# KiCad board sun3_60.kicad_pcb (continued)
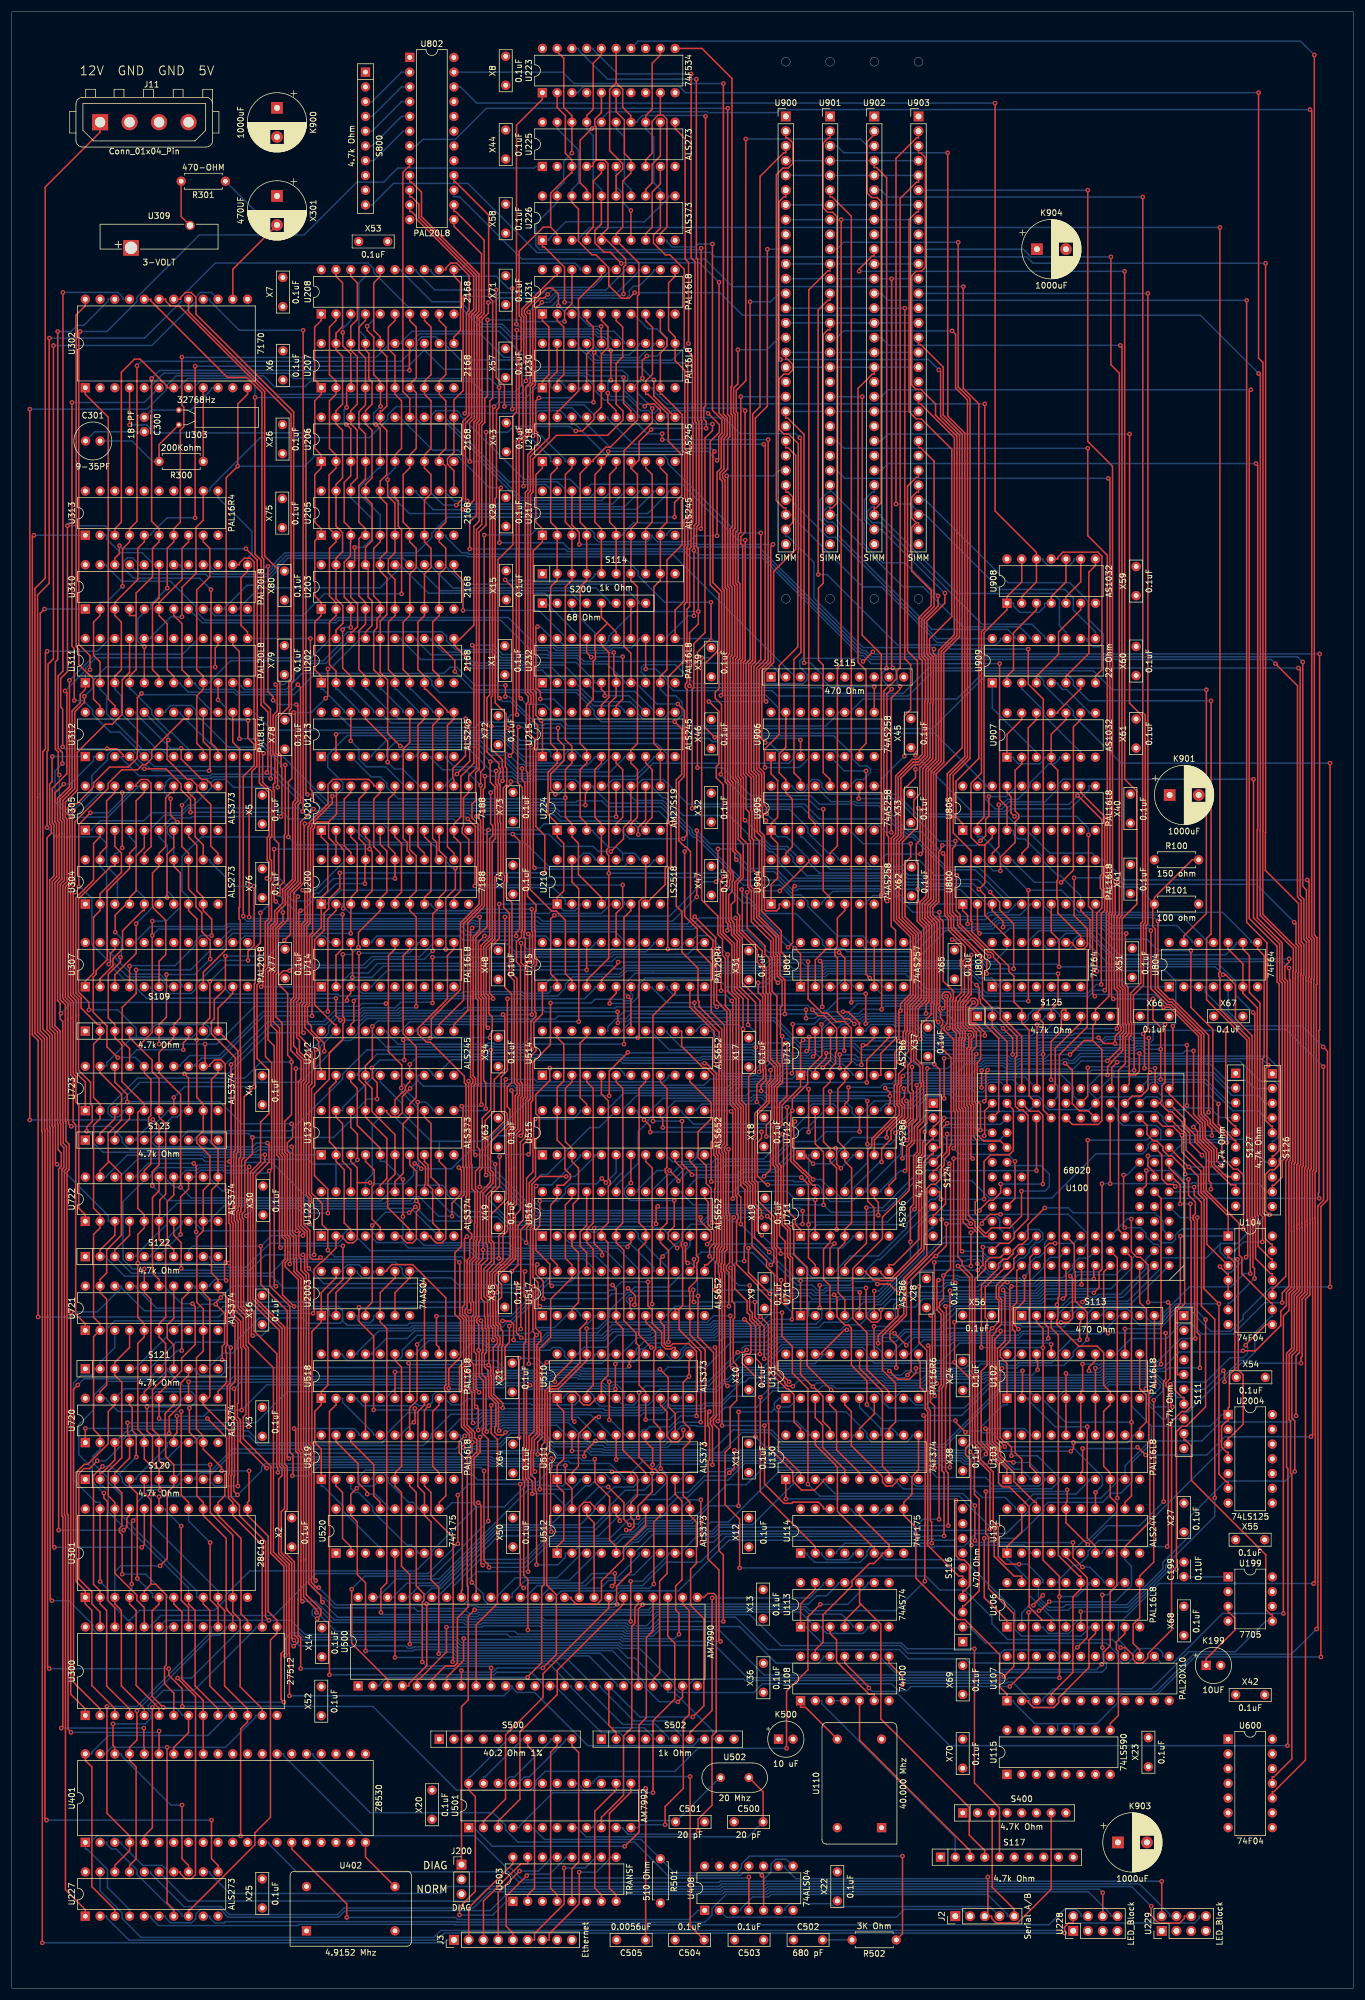
[diagram p0: board, top side]
## Routing (per net, layer and track width the routed paths; a pad name or vN(x,y) marks a point on that pad's centre or on a via; arc(x,y) is an arc through that point) (continued)
  Bottom w0.25: v1(152.88,159.51) 152.64,159.74 145.55,159.74 145.24,160.06 142.36,160.06 142.07,160.34 141.8,160.34 141.11,161.04 v1(140.35,161.04) ; v1(155.71,209.89) 155.7,209.9 v1(155.7,212.34) 165.41,202.63 171.01,202.63 172.23,203.86 173.15,203.86 173.15,203.85 182.1,203.85 v1(183.64,205.39) ; U713.2 137.31,158.35 133.28,158.35 132.01,157.07 128.47,157.07 128.23,157.3 127.94,157.3 127.69,157.05 122.07,157.05 119.84,159.29 v1(119.36,159.29) 105.28,159.29 104.74,159.83 88.21,159.83 88.15,159.89 75.77,159.89 73.1,157.22 ; 73.1,157.22 72.53,157.22 72.53,157.5 71.66,158.37 63.02,158.37 62.23,157.59 62.23,156.89 57.01,151.67 57.01,151.14 U123.19 ; 73.1,157.22 U212.9 ; v1(186.93,175.14) 187.02,175.23 198.77,175.23 200.54,173.46 200.54,166.18 v1(200.04,165.68)
/sun3_60_cpu/DMA-: length 91.4
  Top w0.25: U132.1 171.47,76.07 174,78.61 U132.19 ; U131.15 146.06,106.75 150.02,102.8 150.02,89.89 151.15,88.77 U130.8
  Bottom w0.25: 173.44,82.56 172.88,82.56 172.88,82.82 171.18,84.52 167.2,84.52 165.71,86.01 153.62,86.01 152.27,87.36 152.27,87.64 U130.8 ; 173.44,82.56 U132.19 ; 173.44,82.56 175.98,85.1 183.32,85.1 185.58,87.36 185.58,87.64 U103.7 ; U132.1 171.47,73.81 171.75,73.81 175.28,70.29 175.28,67.74 179.65,63.37 181.62,63.37 U106.5
/sun3_60_cpu/DMAX-: length 21.7
  Top w0.25: U131.5 143.53,100.47 144.65,99.35 144.65,93.48 150.02,88.11 150.02,87.13 150.64,86.51 151.71,86.51 152.56,87.36 152.56,87.64 U130.9
/sun3_60_cpu/DS: length 197.3
  Top w0.25: v1(212.58,110.73) 212.58,110.83 216.05,114.3 U104.8 ; v1(136.26,131.6) v1(136.26,133.86) ; v1(111.03,131.63) 111.03,134.38 v1(111.3,134.66) ; v1(199.99,100.13) 199.71,100.4 199.71,103.91 v1(199.61,104) ; v1(141.17,103.05) 137.04,107.18 137.04,124.13 134.75,126.42 134.75,131.15 v1(134.29,131.6)
  Bottom w0.25: v1(199.61,104) 200.02,104.42 205.72,104.42 209.9,108.59 212.17,108.59 212.92,109.34 212.92,110.39 v1(212.58,110.73) ; v1(136.26,133.86) 135.73,134.38 111.58,134.38 v1(111.3,134.66) ; v1(134.29,131.6) v1(136.26,131.6) ; v1(111.03,131.63) 110.67,131.99 85.98,131.99 80.81,137.16 U122.11 ; v1(199.99,100.13) 196.83,100.13 195.99,100.96 195.99,101.6 197.86,103.47 197.86,103.82 196.8,104.88 188.73,104.88 188.12,104.26 168.44,104.26 164.12,99.94 151.15,99.94 149.88,101.22 149.88,101.97 149.12,102.73 141.49,102.73 v1(141.17,103.05)
/sun3_60_cpu/E.REX-: length 16.1
  Top w0.25: U130.5 143.53,89.33 139.72,93.14 139.72,97 138.44,98.27 138.44,101.6
/sun3_60_cpu/EMULATE-: length 49.8
  Top w0.25: U106.4 179.09,63.37 177.59,63.37 176.24,64.72 176.24,64.72 175.3,65.66 175.3,82.92 171.87,86.35 170.69,86.35 170.01,87.03 170.01,90.21 169,91.22 169,92.77 168.02,93.75 168.02,96.11 v1(167.75,96.39)
  Bottom w0.25: U103.18 175.42,95.26 175.42,95.44 174.47,96.39 v1(167.75,96.39)
/sun3_60_cpu/EN.BOOT-: length 359.3
  Top w0.25: v1(107.32,291.97) 106.37,291.02 105.06,291.02 102.87,293.21 102.87,296.25 100.63,298.49 99.97,298.49 97.65,300.81 97.65,306.37 96.52,307.49 U226.18 ; v1(214.83,278.04) 215.11,277.76 215.11,199.39 215.07,199.36 215.07,184.74 220.8,179.02 220.8,175.25 220.7,175.15 220.7,142.39 220.48,142.17 220.48,130.38 220.5,130.35 220.5,120.75 219.95,120.19 219.94,120.19 219.6,119.85 219.6,117.57 218.63,116.6 218.63,114.13 214.28,109.78 v1(212.11,109.78) ; v1(185.58,106.34) 185.58,106.97 186.71,108.09 U102.14
  Bottom w0.25: v1(212.11,109.78) 211.92,109.59 201.14,109.59 198.24,106.68 187.99,106.68 187.37,106.07 185.85,106.07 v1(185.58,106.34) ; v1(214.83,278.04) 204.79,288.08 125.91,288.08 122.03,291.97 v1(107.32,291.97) ; U225.19 93.98,320.19 97.65,316.53 97.65,310.87 96.52,309.75 U226.18
/sun3_60_cpu/EN.CTL-: length 372.3
  Top w0.25: v1(91.58,118.76) 91.58,121.73 90.31,123 90.31,124.4 v1(90.55,124.64) ; v1(54.47,127.11) 54.47,130.53 53.51,131.49 53.51,135.11 51.67,136.95 51.67,154.91 52.21,155.46 52.21,161.46 v1(52.4,161.64) ; v1(179.09,110.9) U102.17 ; v1(107.3,117.69) 107.45,117.84 107.45,119.27 v1(106.18,120.54) ; v1(91.85,192.07) 91.85,198.51 90.31,200.04 90.31,213.35 90.61,213.65 90.61,217.43 89.84,218.19 89.84,221.05 89.91,221.12 89.91,222.84 89.39,223.36 89.39,257.19 89.82,257.62 89.82,263.35 93.88,267.41 102.67,267.41 105.33,270.06 105.33,271.59 104.14,272.77 U230.6 104.14,279.8 105.27,280.92 105.27,286.05 104.14,287.17 U231.6 ; v1(117.53,118.18) 117.42,118.29 v1(117.42,120.27) ; v1(56.53,192.07) 56.53,189.44 54.61,187.52 54.61,185.91 53.85,185.14 53.85,182.21 52.2,180.56 52.2,169.36 55.6,165.96 55.88,165.96 U212.19 ; v1(128.05,118.18) 128.05,115.57 129.64,113.97 v1(129.64,108.42)
  Bottom w0.25: U212.19 52.69,161.64 v1(52.4,161.64) ; v1(106.18,120.54) 105.26,119.61 103.38,119.61 102.53,118.76 v1(91.58,118.76) ; v1(54.47,127.11) 55.61,125.97 77.51,125.97 78.85,124.64 v1(90.55,124.64) ; v1(117.53,118.18) v1(128.05,118.18) ; v1(117.42,120.27) 117.21,120.07 107.37,120.07 106.67,119.36 106.38,119.36 105.93,118.91 105.93,118.36 106.6,117.69 v1(107.3,117.69) ; v1(129.64,108.42) 130.24,108.42 132.67,110.85 148.48,110.85 148.98,110.35 149.12,110.35 149.88,109.6 149.88,108.85 150.64,108.09 160.3,108.09 163.3,111.1 178.88,111.1 v1(179.09,110.9) ; v1(56.53,192.07) v1(91.85,192.07)
/sun3_60_cpu/EN.FPP: length 414.8
  Top w0.25: v1(223.84,94.99) 224.12,95.27 224.12,131.84 224.1,131.86 224.1,132.5 224.09,132.51 224.09,140.67 224.31,140.89 224.31,173.01 224.31,173.65 224.41,173.75 224.41,180.74 223.96,181.19 223.96,323.2 v1(223.66,323.49) ; v1(193.96,93.17) 194.02,93.17 v1(195.35,91.84) ; v1(184.5,92.95) 184.5,89.1 184.16,88.77 U103.6 ; U226.17 99.06,309.75 97.93,310.87 97.93,318.2 v1(99.97,320.24)
  Bottom w0.25: v1(99.97,320.24) 100.47,320.74 100.47,321.32 101.04,321.32 ; v1(195.35,91.84) 205.87,91.84 209.02,94.99 v1(223.84,94.99) ; 101.04,321.32 102.83,323.12 119.84,323.12 119.98,322.97 131.86,322.97 132.38,323.49 v1(223.66,323.49) ; 101.04,321.32 U225.16 ; v1(184.5,92.95) 193.75,92.95 v1(193.96,93.17)
/sun3_60_cpu/FC0: length 66
  Top w0.25: v1(204.69,106.84) 204.69,112.45 204.24,112.9 v1(204.24,132.72) ; v1(181.62,105.89) U102.5 U103.16
  Bottom w0.25: v1(181.62,105.89) 181.9,105.61 187.55,105.61 188.17,106.23 198.74,106.23 199.35,106.84 v1(204.69,106.84) ; v1(204.24,132.72) 201.31,132.72 U100.53
/sun3_60_cpu/FC1: length 74.1
  Top w0.25: v1(203.92,111.89) 203.79,112.02 203.79,132.14 203.51,132.42 203.51,133.02 203.92,133.43 203.92,135.38 202.74,136.56 v1(202.74,139.31) ; U103.15 U102.6 184.16,102.73 184.5,103.06 v1(184.5,107.52) ; U100.68 195.48,138.32 v1(195.48,140.82)
  Bottom w0.25: v1(203.92,111.89) 201.39,111.89 197.09,107.59 187.61,107.59 187.33,107.3 187.22,107.3 187.01,107.52 v1(184.5,107.52) ; v1(202.74,139.31) 201.74,139.31 200.23,140.82 v1(195.48,140.82)
/sun3_60_cpu/OE.BOOT-: length 263.4
  Top w0.25: v1(35.56,221.85) U311.10 ; v1(40.72,218.31) 40.72,215.27 41.78,214.21 41.78,210.56 39.91,208.69 v1(39.91,184.63) ; v1(117.67,184.53) 121.28,180.92 121.28,180.82 121.28,180.82 121.28,179.17 121,178.9 121,177.39 121.45,176.94 121.45,170.07 122.21,169.3 122.21,169.18 123.22,168.17 123.22,145.24 123.21,145.23 123.19,145.23 122.77,144.8 122.77,144.2 123.05,143.92 123.05,133.26 123.24,133.08 123.24,127.2 122.83,126.79 122.83,124.7 122.66,124.54 122.66,123.56 122.83,123.4 122.83,104.23 v1(123.33,103.73) ; v1(155.78,106.78) 155.78,106.01 154.66,104.89 152.62,104.89 v1(151.21,106.3)
  Bottom w0.25: v1(123.33,103.73) 124.41,103.73 126.25,105.57 130.53,105.57 131.65,106.69 150.82,106.69 v1(151.21,106.3) ; U102.19 173.38,109.22 172.9,108.74 172.85,108.74 172.09,107.98 165.44,107.98 164.24,106.78 v1(155.78,106.78) ; v1(35.56,221.85) 36.97,220.44 36.97,219.21 37.87,218.31 v1(40.72,218.31) ; v1(117.67,184.53) 116.43,183.29 91.01,183.29 90.56,183.74 80.01,183.74 79.9,183.85 78.92,183.85 78.81,183.74 40.57,183.74 39.91,184.4 v1(39.91,184.63)
/sun3_60_cpu/R.CLK-: length 19.1
  Top w0.25: U115.9 189.25,45.59 190.66,47 190.66,58.01 190.3,58.36 190.3,59.63 191.78,61.11 U106.9
/sun3_60_cpu/R.REQ-: length 63.5
  Top w0.25: v1(165.93,77.13) v1(165.93,83.13) ; v1(184.47,72.54) 182.84,74.17 v1(182.84,76.77)
  Bottom w0.25: v1(165.93,77.13) 166.3,76.77 v1(182.84,76.77) ; U106.13 188.12,69.86 188.12,70.14 185.72,72.54 v1(184.47,72.54) ; v1(165.93,83.13) 163.85,85.21 141.82,85.21 139.57,87.46 139.57,87.64 138.44,87.64
/sun3_60_cpu/R.REX-: length 18.9
  Top w0.25: v1(132.12,100.11) 132.12,92.56 135.91,88.77 U130.2
  Bottom w0.25: U131.2 134.78,101.6 134.78,100.9 133.99,100.11 v1(132.12,100.11)
/sun3_60_cpu/S.REX-: length 16.1
  Top w0.25: U131.4 140.99,100.47 142.11,99.35 142.11,92.72 146.06,88.77 U130.6
/sun3_60_cpu/XACK5-: length 13.6
  Bottom w0.25: U130.12 152.56,95.26 152.56,95.54 151.71,96.39 149.73,96.39 ; 149.73,96.39 146.06,100.05 U131.6 ; 149.73,96.39 149.73,95.26 148.6,95.26
/sun3_60_eeprom/EN.INT: length 30
  Top w0.25: U305.3 17.78,196.63 18.92,195.49 18.92,192.14 15.24,188.47 U304.2 15.24,185.57 14.11,184.45 14.11,174.81 12.7,173.39 U307.1
/sun3_60_eeprom/EN.IO-: length 34
  Top w0.25: U310.19 25.4,239.38 24.27,238.25 24.27,227.05 25.4,225.93 U311.6
  Bottom w0.25: U313.2 16.37,250.2 16.37,249.57 18.73,247.21 22.47,247.21 24.27,245.4 24.27,245.12 U310.19
/sun3_60_eeprom/EN.IOL-: length 51.6
  Top w0.25: v1(34.35,240.84) 34.35,214.44 35.56,213.23 U312.10
  Bottom w0.25: v1(34.35,240.84) 32.37,242.82 21.02,242.82 19.16,244.68 19.16,245.57 19.89,246.31 20.82,246.31 21.73,245.4 21.73,245.12 U310.20
/sun3_60_eeprom/EN.IRQ1: length 31.3
  Top w0.25: U304.5 22.86,185.57 22.58,185.57 19.11,182.11 19.11,178.95 17.47,177.3 17.47,176.08 15.24,173.85 U307.2
  Bottom w0.25: U305.4 20.32,198.27 21.45,197.15 21.45,189.24 22.86,187.83 U304.5
/sun3_60_eeprom/EN.IRQ2: length 32.5
  Top w0.25: U305.7 27.94,196.41 26.76,195.23 v1(26.76,187.83) ; v1(21.45,183.31) 21.45,178.2 17.78,174.53 U307.3
  Bottom w0.25: 25.4,187.26 21.45,183.31 v1(21.45,183.31) ; 25.4,187.26 U304.6 ; 25.4,187.26 25.4,187.83 v1(26.76,187.83)
/sun3_60_eeprom/EN.IRQ3: length 40.1
  Top w0.25: v1(34.47,181.27) 34.47,184.13 33.02,185.57 U304.9 33.02,187.83 31.89,188.95 31.89,196.86 30.48,198.27 U305.8 ; U307.4 v1(20.32,176.02)
  Bottom w0.25: v1(34.47,181.27) 32.62,181.27 31.61,180.26 31.61,179.55 28.17,176.11 20.4,176.11 v1(20.32,176.02)
/sun3_60_eeprom/EN.IRQ4: length 59.1
  Top w0.25: v1(40.72,176.99) 40.72,178.53 41.78,179.59 v1(41.78,189.75) ; U305.13 30.48,205.89 31.61,204.77 31.61,198.28 33.02,196.86 U304.12
  Bottom w0.25: U304.12 34.15,194.32 34.15,194.04 38.43,189.75 v1(41.78,189.75) ; v1(40.72,176.99) 35.9,176.99 31.75,172.85 31.75,172.09 30.96,171.3 24.86,171.3 23.99,172.17 23.99,172.46 U307.5
/sun3_60_eeprom/EN.IRQ5: length 37.8
  Top w0.25: U305.14 27.94,205.89 27.42,205.89 26.53,205 26.53,196.57 25.4,195.45 U304.15 25.4,193.19 24.27,192.07 24.27,186.16 26.55,183.88 26.55,177.99 25.4,176.84 U307.6
/sun3_60_eeprom/EN.IRQ6: length 69.3
  Top w0.25: U305.17 21.45,207.02 21.45,207.3 22.29,208.15 23.36,208.15 24.02,207.49 24.02,196.61 22.86,195.45 U304.16 ; v1(13.56,202.41) 11.57,200.43 v1(11.57,189.64)
  Bottom w0.25: v1(11.57,189.64) 11.85,189.64 13.83,187.66 13.83,179.76 16.48,177.11 17.04,177.11 20,174.15 25.34,174.15 26.81,172.68 26.81,172.46 U307.7 ; U305.17 20.32,206.05 16.68,202.41 v1(13.56,202.41)
/sun3_60_eeprom/EN.IRQ7: length 46.6
  Top w0.25: U304.19 15.24,195.45 16.37,196.57 16.37,204.48 17.78,205.89 U305.18
  Bottom w0.25: U307.8 29.35,172.46 29.35,172.74 28.51,173.58 26.62,173.58 25.57,174.64 20.64,174.64 16.37,178.91 16.37,192.07 15.24,193.19 U304.19
/sun3_60_eeprom/OE.EPROM-: length 201.6
  Top w0.25: v1(6.93,66.76) 6.64,67.05 6.64,147.46 6.64,147.46 6.64,148.1 6.56,148.19 6.56,163.98 5.38,165.16 5.38,212.92 5.83,213.38 5.83,229.95 v1(6.11,230.23)
  Bottom w0.25: U311.22 16.65,232.42 16.65,232.14 14.75,230.23 v1(6.11,230.23) ; U300.22 26.81,62.24 26.81,61.96 25.94,61.09 14.73,61.09 13.97,61.85 13.97,62.63 9.85,66.76 v1(6.93,66.76)
/sun3_60_eeprom/RD.EEPROM-: length 164.8
  Top w0.25: U301.20 22.86,76.38 v1(22.42,75.95) ; v1(7.02,212.1) 6.96,212.04 6.96,207.77 6.56,207.37 6.56,200.46 6.83,200.18 6.83,198.86 6.1,198.13 6.1,165.09 7.01,164.19 7.01,148.37 7.1,148.29 7.1,142.18 7.1,76.23 v1(7.38,75.95)
  Bottom w0.25: v1(22.42,75.95) v1(7.38,75.95) ; U312.1 v1(7.02,212.1)
/sun3_60_eeprom/RD.INT-: length 48.2
  Top w0.25: U305.11 34.43,207.02 34.43,207.3 33.59,208.15 32.74,208.15 29.21,211.68 v1(29.21,213.51)
  Bottom w0.25: v1(29.21,213.51) 27.37,213.51 21.45,219.44 21.45,219.72 U312.21 ; U305.11 34.43,207.02 34.43,206.74 31.39,203.69 30.34,203.69 29.07,202.43 24.15,202.43 22.77,201.05 15.24,201.05 13.83,199.63 13.83,199.4 U305.1
/sun3_60_eeprom/RD.RTC-: length 73.6
  Top w0.25: U302.24 12.7,289.71 11.08,288.09 11.08,284.99 11.12,284.94 11.12,231 11.57,230.55 11.57,227.94 13.2,226.31 13.28,226.31 14.11,225.48 14.11,221.97 15.24,220.85 U312.23
/sun3_60_eeprom/RD.SCC1-: length 227.6
  Top w0.25: U401.36 22.86,41.5 22.77,41.59 v1(22.77,44.82) ; v1(8.55,44.82) 8.83,45.09 8.83,81.19 8.65,81.37 8.65,140.99 9,141.34 9,144.77 8.45,145.32 8.45,148.85 8.36,148.93 8.36,164.84 7.46,165.74 7.46,190.43 8.19,191.16 8.19,198.64 8.19,198.65 8.19,200.74 7.91,201.02 7.91,204.9 8.31,205.3 8.32,205.3 9.97,206.95 v1(9.97,225.23)
  Bottom w0.25: v1(22.77,44.82) v1(8.55,44.82) ; U311.16 31.89,232.42 31.89,232.14 29.47,229.71 14.45,229.71 v1(9.97,225.23)
/sun3_60_eeprom/TYPE0: length 71
  Bottom w0.25: U310.10 36.69,237.5 36.69,237.7 40.59,241.6 43.23,241.6 45.79,244.17 45.79,244.46 47.59,246.25 67.45,246.25 U203.14 69.71,245.12 69.71,244.84 73.88,240.66 96.05,240.66 97.93,238.78 97.93,238.5 S200.4
/sun3_60_eeprom/TYPE1: length 63.5
  Bottom w0.25: 67.17,244.84 71.79,240.21 91.84,240.21 92.85,239.2 92.85,238.5 S200.2 ; 67.17,244.84 67.17,245.12 U203.15 ; 67.17,244.84 63.48,241.15 42.66,241.15 39.23,237.72 39.23,237.5 U310.11
/sun3_60_eeprom/WR.EEPROM-: length 154.3
  Top w0.25: v1(8.97,207.35) 7.93,206.3 7.92,206.3 7.46,205.83 7.46,200.83 7.74,200.56 7.74,198.46 7.74,198.46 7.74,191.35 7.01,190.62 7.01,165.56 7.91,164.66 7.91,148.75 8,148.66 8,144.4 8.55,143.85 8.55,141.53 8.1,141.08 v1(8.1,78.89) ; v1(19.3,78.89) 19.85,79.44 19.85,80.97 20.32,81.43 U301.21
  Bottom w0.25: U312.2 14.11,212.1 14.11,211.4 10.06,207.35 v1(8.97,207.35) ; v1(19.3,78.89) v1(8.1,78.89)
/sun3_60_eeprom/WR.INT-: length 31.3
  Top w0.25: U304.11 35.56,195.45 34.3,196.71 34.3,203.84 31.89,206.24 31.89,207.22 30.95,208.16 30.25,208.16 26.78,211.63 26.78,214.72 v1(27,214.94)
  Bottom w0.25: U312.20 27,215.58 v1(27,214.94)
/sun3_60_eeprom/WR.RTC-: length 58
  Top w0.25: U302.1 12.7,274.47 16.65,270.52 16.65,221.97 17.78,220.85 U312.22
/sun3_60_eeprom/WR.SCC1-: length 231.1
  Top w0.25: U311.15 35.56,231.29 35.07,230.81 v1(35.07,227.5) ; v1(12.55,222.48) 12.55,221.46 10.87,219.78 10.87,206.58 8.82,204.52 8.82,201.39 9.09,201.12 9.09,190.78 8.36,190.06 8.36,170.26 8.81,169.81 8.82,169.81 9.27,169.36 9.27,166.67 9.27,166.67 9.27,149.31 9.36,149.22 9.36,145.92 9.92,145.36 9.92,140.98 9.55,140.61 9.55,81.75 9.73,81.57 9.73,44.6 v1(10.24,44.09) ; U401.35 v1(25.4,44.3)
  Bottom w0.25: v1(25.4,44.3) 25.18,44.09 v1(10.24,44.09) ; v1(12.55,222.48) 13.97,223.9 13.97,225.19 16.28,227.5 v1(35.07,227.5)
/sun3_60_mmu_diag/ACCESS: length 36
  Bottom w0.25: S200.6 103.01,238.5 103.01,238.78 100.68,241.11 76.05,241.11 72.25,244.92 72.25,245.12 U203.13
/sun3_60_mmu_diag/ACCESSX: length 24
  Top w0.25: 102.63,235.05 101.6,236.09 S200.5 ; 102.63,235.05 104.14,233.55 U232.15 ; 102.63,235.05 100.47,232.89 100.47,230.43 100.57,230.34 100.57,228.91 100.19,228.53 100.19,221.97 99.06,220.85 U215.17
/sun3_60_mmu_diag/EN.PMAP0-: length 101.4
  Top w0.25: v1(87.72,222.08) 87.41,222.39 87.41,266.41 88.62,267.61 88.62,267.71 88.62,267.72 88.62,275.79 88.88,276.05 88.91,276.05 89.33,276.48 89.33,288.37 v1(89.06,288.64)
  Bottom w0.25: U231.12 110.63,295.92 110.63,295.64 108.09,293.09 107.14,293.09 106.4,292.35 106.4,291.49 105.92,291.01 103.61,291.01 103.56,291.06 94.49,291.06 93,289.57 89.98,289.57 v1(89.06,288.64) ; v1(87.72,222.08) 88.72,221.09 91.77,221.09 92.85,220 92.85,219.72 U215.19
/sun3_60_mmu_diag/EN.PMAP2-: length 57.9
  Top w0.25: v1(92.35,291.68) 91.7,291.02 91.04,291.02 90.62,290.6 90.62,290.58 89.78,289.75 89.78,276.29 89.33,275.84 89.33,268.32 89.07,268.06 89.07,267.42 88.17,266.52 v1(88.17,258.65)
  Bottom w0.25: U217.19 92.85,257.82 92.85,258.08 91.99,258.95 88.46,258.95 v1(88.17,258.65) ; U231.14 105.55,295.92 105.55,295.64 102.33,292.42 93.09,292.42 v1(92.35,291.68)
/sun3_60_mmu_diag/EN.PMAP3-: length 28.7
  Top w0.25: U218.19 93.98,271.65 94.26,271.65 97.65,275.03 97.65,290.84 101.6,294.79 U231.16
/sun3_60_mmu_diag/EN.SMAP-: length 113.6
  Top w0.25: U231.19 93.98,294.79 93.53,294.79 87.88,289.14 87.88,288.16 88.22,287.81 88.22,279.97 87.88,279.63 87.88,276.1 88.1,275.88 88.1,267.83 88.1,267.83 88.1,267.72 86.96,266.59 86.96,219.44 v1(87.09,219.31)
  Bottom w0.25: U213.19 58.5,217.1 79.89,217.1 80.84,218.06 82.93,218.06 83,217.99 84.74,217.99 86.06,219.31 v1(87.09,219.31)
/sun3_60_mmu_diag/EN.VIDEO: length 13.8
  Top w0.25: U226.8 109.22,302.13 110.35,303.25 110.35,309.3 111.76,310.71 U225.9
/sun3_60_mmu_diag/LED0: length 172.5
  Top w0.25: v1(181.41,9.53) 181.41,10.59 182.07,11.26 182.88,11.26 U228.2
  Bottom w0.25: U227.2 16.37,12.44 16.37,12.16 20.21,8.31 73.36,8.31 74.58,9.53 v1(181.41,9.53)
/sun3_60_mmu_diag/LED1: length 165.3
  Bottom w0.25: U228.4 184.24,12.44 184.24,12.8 183.43,13.61 181.38,13.61 178.72,10.95 76.48,10.95 76.39,11.03 49.54,11.03 49.32,10.82 25.32,10.82 23.99,12.15 23.99,12.44 U227.5
/sun3_60_mmu_diag/LED2: length 171.5
  Top w0.25: U228.6 v1(187.96,16.47)
  Bottom w0.25: v1(187.96,16.47) 187.34,17.09 130.45,17.09 130,16.64 122.85,16.64 122.62,16.41 122.62,16.37 122.44,16.19 85.23,16.19 82.44,13.39 57.46,13.39 56.32,12.25 37.23,12.25 36.89,12.59 36.89,12.7 35.96,13.62 32.56,13.62 31.75,12.81 31.75,12.06 31,11.31 27.37,11.31 26.53,12.15 26.53,12.44 U227.6
/sun3_60_mmu_diag/LED3: length 163
  Bottom w0.25: U227.9 34.15,12.44 34.15,12.15 35.02,11.28 36.59,11.28 36.8,11.49 58.04,11.49 58.04,11.49 76.57,11.49 76.66,11.4 119.41,11.4 120.65,12.64 120.65,13.76 123.08,16.19 123.08,16.19 130.19,16.19 130.64,16.63 185.49,16.63 189.32,12.8 189.32,12.44 U228.8
/sun3_60_mmu_diag/LED4: length 173.7
  Top w0.25: U229.2 v1(198.12,18.44)
  Bottom w0.25: v1(198.12,18.44) 129.89,18.44 129.44,17.99 122.29,17.99 121.84,17.54 75.18,17.54 73.97,16.34 37.58,16.34 34.15,19.77 34.15,20.06 U227.12
/sun3_60_mmu_diag/LED5: length 181.1
  Bottom w0.25: U227.15 30.41,15.04 79.75,15.04 81.8,17.09 122.02,17.09 122.47,17.54 129.63,17.54 130.08,17.99 194.29,17.99 199.48,12.8 199.48,12.44 U229.4
/sun3_60_mmu_diag/LED6: length 189.8
  Top w0.25: v1(196.32,14.15) 196.32,12.53 197.6,11.24 201.2,11.24 202.02,12.07 202.02,12.44 U229.6
  Bottom w0.25: v1(196.32,14.15) 192.93,17.54 130.27,17.54 129.82,17.09 122.66,17.09 122.21,16.64 82.35,16.64 79.55,13.84 57.28,13.84 56.14,12.7 37.52,12.7 36.15,14.08 29.68,14.08 23.99,19.77 23.99,20.06 U227.16
/sun3_60_mmu_diag/LED7: length 199.4
  Bottom w0.25: U229.8 204.56,12.44 204.56,12.07 203.75,11.26 182.07,11.26 180.79,9.98 73.91,9.98 72.7,8.77 22.32,8.77 19.05,12.04 19.05,12.97 15.24,16.78 U227.19
/sun3_60_mmu_diag/MMU0: length 263.5
  Top w0.25: U226.2 93.98,302.13 92.85,303.25 ; v1(84.01,186.7) 84.01,180.79 82.33,179.12 82.33,171.33 82.94,170.72 v1(82.94,170.42) ; 92.85,303.25 91.59,303.25 87.43,299.09 87.43,287.97 87.77,287.63 87.77,281.99 87.43,281.65 87.43,268.19 v1(87.37,268.13) ; 92.85,303.25 92.85,309.09 96.34,312.57 96.52,312.57 U225.3 96.52,314.83 95.39,315.95 95.39,322.44 93.98,323.86 U223.2 ; U212.18 58.42,165.96 58.94,166.49 v1(58.94,170.01) ; U210.1 93.98,187.83 95.11,188.95 95.11,197.15 93.98,198.27 U224.1 93.98,200.53 92.4,202.11 92.4,209.39 93.98,210.97 U215.2 93.98,213.23 92.85,214.35 92.85,241.32 93.98,242.45 S114.2 U217.2 93.98,251.33 92.85,252.45 92.85,260.65 93.98,261.77 U218.2 ; U213.2 v1(55.88,215.93)
  Bottom w0.25: v1(58.94,170.01) 59.35,170.42 v1(82.94,170.42) ; U215.2 92.85,212.1 92.85,212.8 92.26,213.39 87.42,213.39 84.66,216.15 56.11,216.15 v1(55.88,215.93) ; U210.3 97.93,186.7 97.93,186.44 97.07,185.57 95.11,185.57 U210.1 v1(84.01,186.7) ; U218.2 92.85,262.9 92.85,263.6 89.88,266.57 88.93,266.57 v1(87.37,268.13)
/sun3_60_mmu_diag/MMU1: length 288.2
  Top w0.25: U210.6 106.68,185.57 105.48,184.38 v1(105.48,162.58) ; U226.5 101.6,301.95 ; U225.4 100.19,313.7 100.19,314.32 100.69,314.83 ; 101.6,301.95 102.73,303.07 102.73,314.17 102.07,314.83 100.69,314.83 ; 101.6,301.95 105.77,297.78 105.77,296.71 105.41,296.35 v1(105.41,291.74) ; 100.69,314.83 100.69,320.54 100.44,320.79 100.44,321.81 101.6,322.97 U223.5 ; v1(89.82,267.3) 89.78,267.34 89.78,275.65 90.24,276.1 90.24,289.19 v1(91.35,290.3) ; U218.3 96.52,261.77 95.39,260.65 95.39,252.45 96.52,251.33 U217.3 S114.3 96.52,242.45 95.39,241.32 95.39,214.99 96.52,213.87 U215.3 96.52,210.97 95.39,209.85 v1(95.39,205.01) 95.39,201.65 96.52,200.53 U224.2 96.52,198.27 97.65,197.15 97.65,191.78 101.6,187.83 U210.4
  Bottom w0.25: U210.4 102.73,187.83 104.71,187.83 105.55,186.98 105.55,186.7 U210.6 ; U213.3 61.92,208.6 63.52,208.6 64.64,207.48 64.64,206.79 66.63,204.81 95.19,204.81 v1(95.39,205.01) ; v1(89.82,267.3) 91.27,267.3 95.39,263.18 95.39,262.9 U218.3 ; U212.17 62.09,164.84 62.09,164.55 64.54,162.1 82.04,162.1 82.25,162.31 82.85,162.31 83.06,162.1 88.57,162.1 89.05,162.58 v1(105.48,162.58) ; v1(91.35,290.3) 92.66,290.3 93.88,291.51 105.18,291.51 v1(105.41,291.74)
/sun3_60_mmu_diag/MMU2: length 274
  Top w0.25: U223.6 104.14,323.12 105.55,321.71 105.55,315.95 106.68,314.83 U225.7 106.68,312.57 105.27,311.16 105.27,303.25 104.14,302.13 U226.6 108.05,297.09 108.05,291.66 107.82,291.43 107.82,270.05 103.13,265.37 102.37,265.37 100.19,263.18 100.19,262.9 U218.4 99.06,261.96 97.93,260.83 97.93,252.45 99.06,251.33 U217.4 S114.4 99.06,242.45 97.93,241.32 97.93,214.35 99.06,213.23 U215.4 99.06,210.97 97.93,209.85 97.93,201.65 99.06,200.53 U224.3 ; v1(107.86,163.69) 108.09,163.93 108.09,187.17 108.75,187.83 109.22,187.83 U210.10
  Bottom w0.25: 105.27,195.45 104.24,196.48 102.83,196.48 100.19,199.12 100.19,199.4 U224.3 ; 105.27,195.45 107.25,195.45 108.09,194.6 108.09,194.32 U210.10 ; 105.27,195.45 105.27,194.32 U210.12 ; U212.16 64.63,164.84 64.63,164.55 66.63,162.55 81.85,162.55 82.06,162.76 83.04,162.76 83.25,162.55 88.21,162.55 89.35,163.69 v1(107.86,163.69) ; U215.4 97.93,212.1 97.93,212.28 96.99,213.23 96.05,213.23 95.25,212.42 95.25,211.7 94.52,210.97 88.64,210.97 88.41,211.2 88.34,211.2 84.29,215.25 67.6,215.25 67.6,215.25 64.96,215.25 62.09,212.38 62.09,212.1 U213.4
/sun3_60_mmu_diag/MMU3: length 303.2
  Top w0.25: v1(121.53,263.08) 121.8,263.36 121.8,267.18 122.37,267.75 122.37,270.09 120.73,271.72 v1(120.73,300.35) ; U223.9 111.76,322.51 ; 111.76,322.51 112.18,322.51 112.89,321.81 112.89,303.25 111.76,302.13 U226.9 ; 111.76,322.51 111.35,322.51 110.35,321.5 110.35,315.95 109.22,314.83 U225.8 ; U210.15 96.52,190.51 97.69,189.33 v1(97.69,166.45) ; S114.5 U217.5 101.6,251.33 100.47,252.45 100.47,260.65 101.6,261.77 U218.5 102.79,264.09 v1(102.79,264.64) ; v1(85.83,212.25) 86.35,212.77 86.35,241.19 v1(85.01,242.53) ; U210.13 U224.4 101.6,200.53 100.47,201.65 100.47,209.85 101.6,210.97 U215.5
  Bottom w0.25: U226.9 112.89,301 112.89,300.72 113.76,299.85 117.69,299.85 118.19,300.35 v1(120.73,300.35) ; v1(102.79,264.64) 119.97,264.64 v1(121.53,263.08) ; S114.5 100.47,243.58 100.47,243.29 99.58,242.4 85.13,242.4 v1(85.01,242.53) ; U212.15 67.17,164.84 67.17,165.03 68.58,166.45 v1(97.69,166.45) ; U210.15 97.65,194.32 97.65,194.6 98.49,195.45 99.63,195.45 100.47,194.6 100.47,194.32 U210.13 ; U215.5 100.47,212.1 100.47,211.91 99.09,210.52 88.46,210.52 88.23,210.75 87.33,210.75 v1(85.83,212.25) 85.3,212.78 82.83,212.78 80.8,214.8 66.31,214.8 64.63,213.12 64.63,212.1 U213.5
/sun3_60_mmu_diag/MMU4: length 306.8
  Top w0.25: U225.13 109.22,322.45 110.35,323.57 110.35,331.48 111.76,332.89 U223.12 ; U218.6 104.14,261.77 103.01,260.65 103.01,252.45 104.14,251.33 U217.6 S114.6 ; v1(82.45,211.22) 82.45,207.7 83.24,206.91 83.24,200.45 83.35,200.34 83.35,197.99 82.8,197.44 82.8,180.86 81.31,179.38 81.31,171.08 81.76,170.63 81.76,165.68 v1(82.04,165.4) ; U215.6 104.14,210.97 105.27,209.85 105.27,201.65 104.14,200.53 U224.5 ; v1(115.69,197.93) 116.33,198.58 116.33,223.69 116.06,223.96 116.06,224.56 116.33,224.84 116.33,237.48 116.78,237.93 116.78,247.92 117.03,248.17 v1(117.03,252.34) 117.37,252.67 117.37,269.51 117.29,269.59 117.29,272.4 117.28,272.4 117.28,281.06 115.88,282.47 115.88,296 113.41,298.46 112.63,298.46 110.57,300.52 110.57,301.9 111.76,303.09 U226.12
  Bottom w0.25: U217.6 105.27,250.2 105.27,250.48 107.12,252.34 v1(117.03,252.34) ; U215.6 103.01,212.1 103.01,211.89 101.01,209.88 89.79,209.88 89.09,209.18 87.14,209.18 87.02,209.3 86.99,209.3 85.06,211.22 v1(82.45,211.22) 79.96,213.71 68.5,213.71 67.17,212.38 67.17,212.1 U213.6 ; U225.13 109.22,320.19 110.63,318.78 110.63,310.87 111.76,309.75 U226.12 ; v1(115.69,197.93) 106.45,197.93 105.27,199.12 105.27,199.4 U224.5 ; v1(82.04,165.4) 81.48,165.96 70.64,165.96 69.71,165.03 69.71,164.84 U212.14
